# KiCad board mtt_final.kicad_pcb (continued)
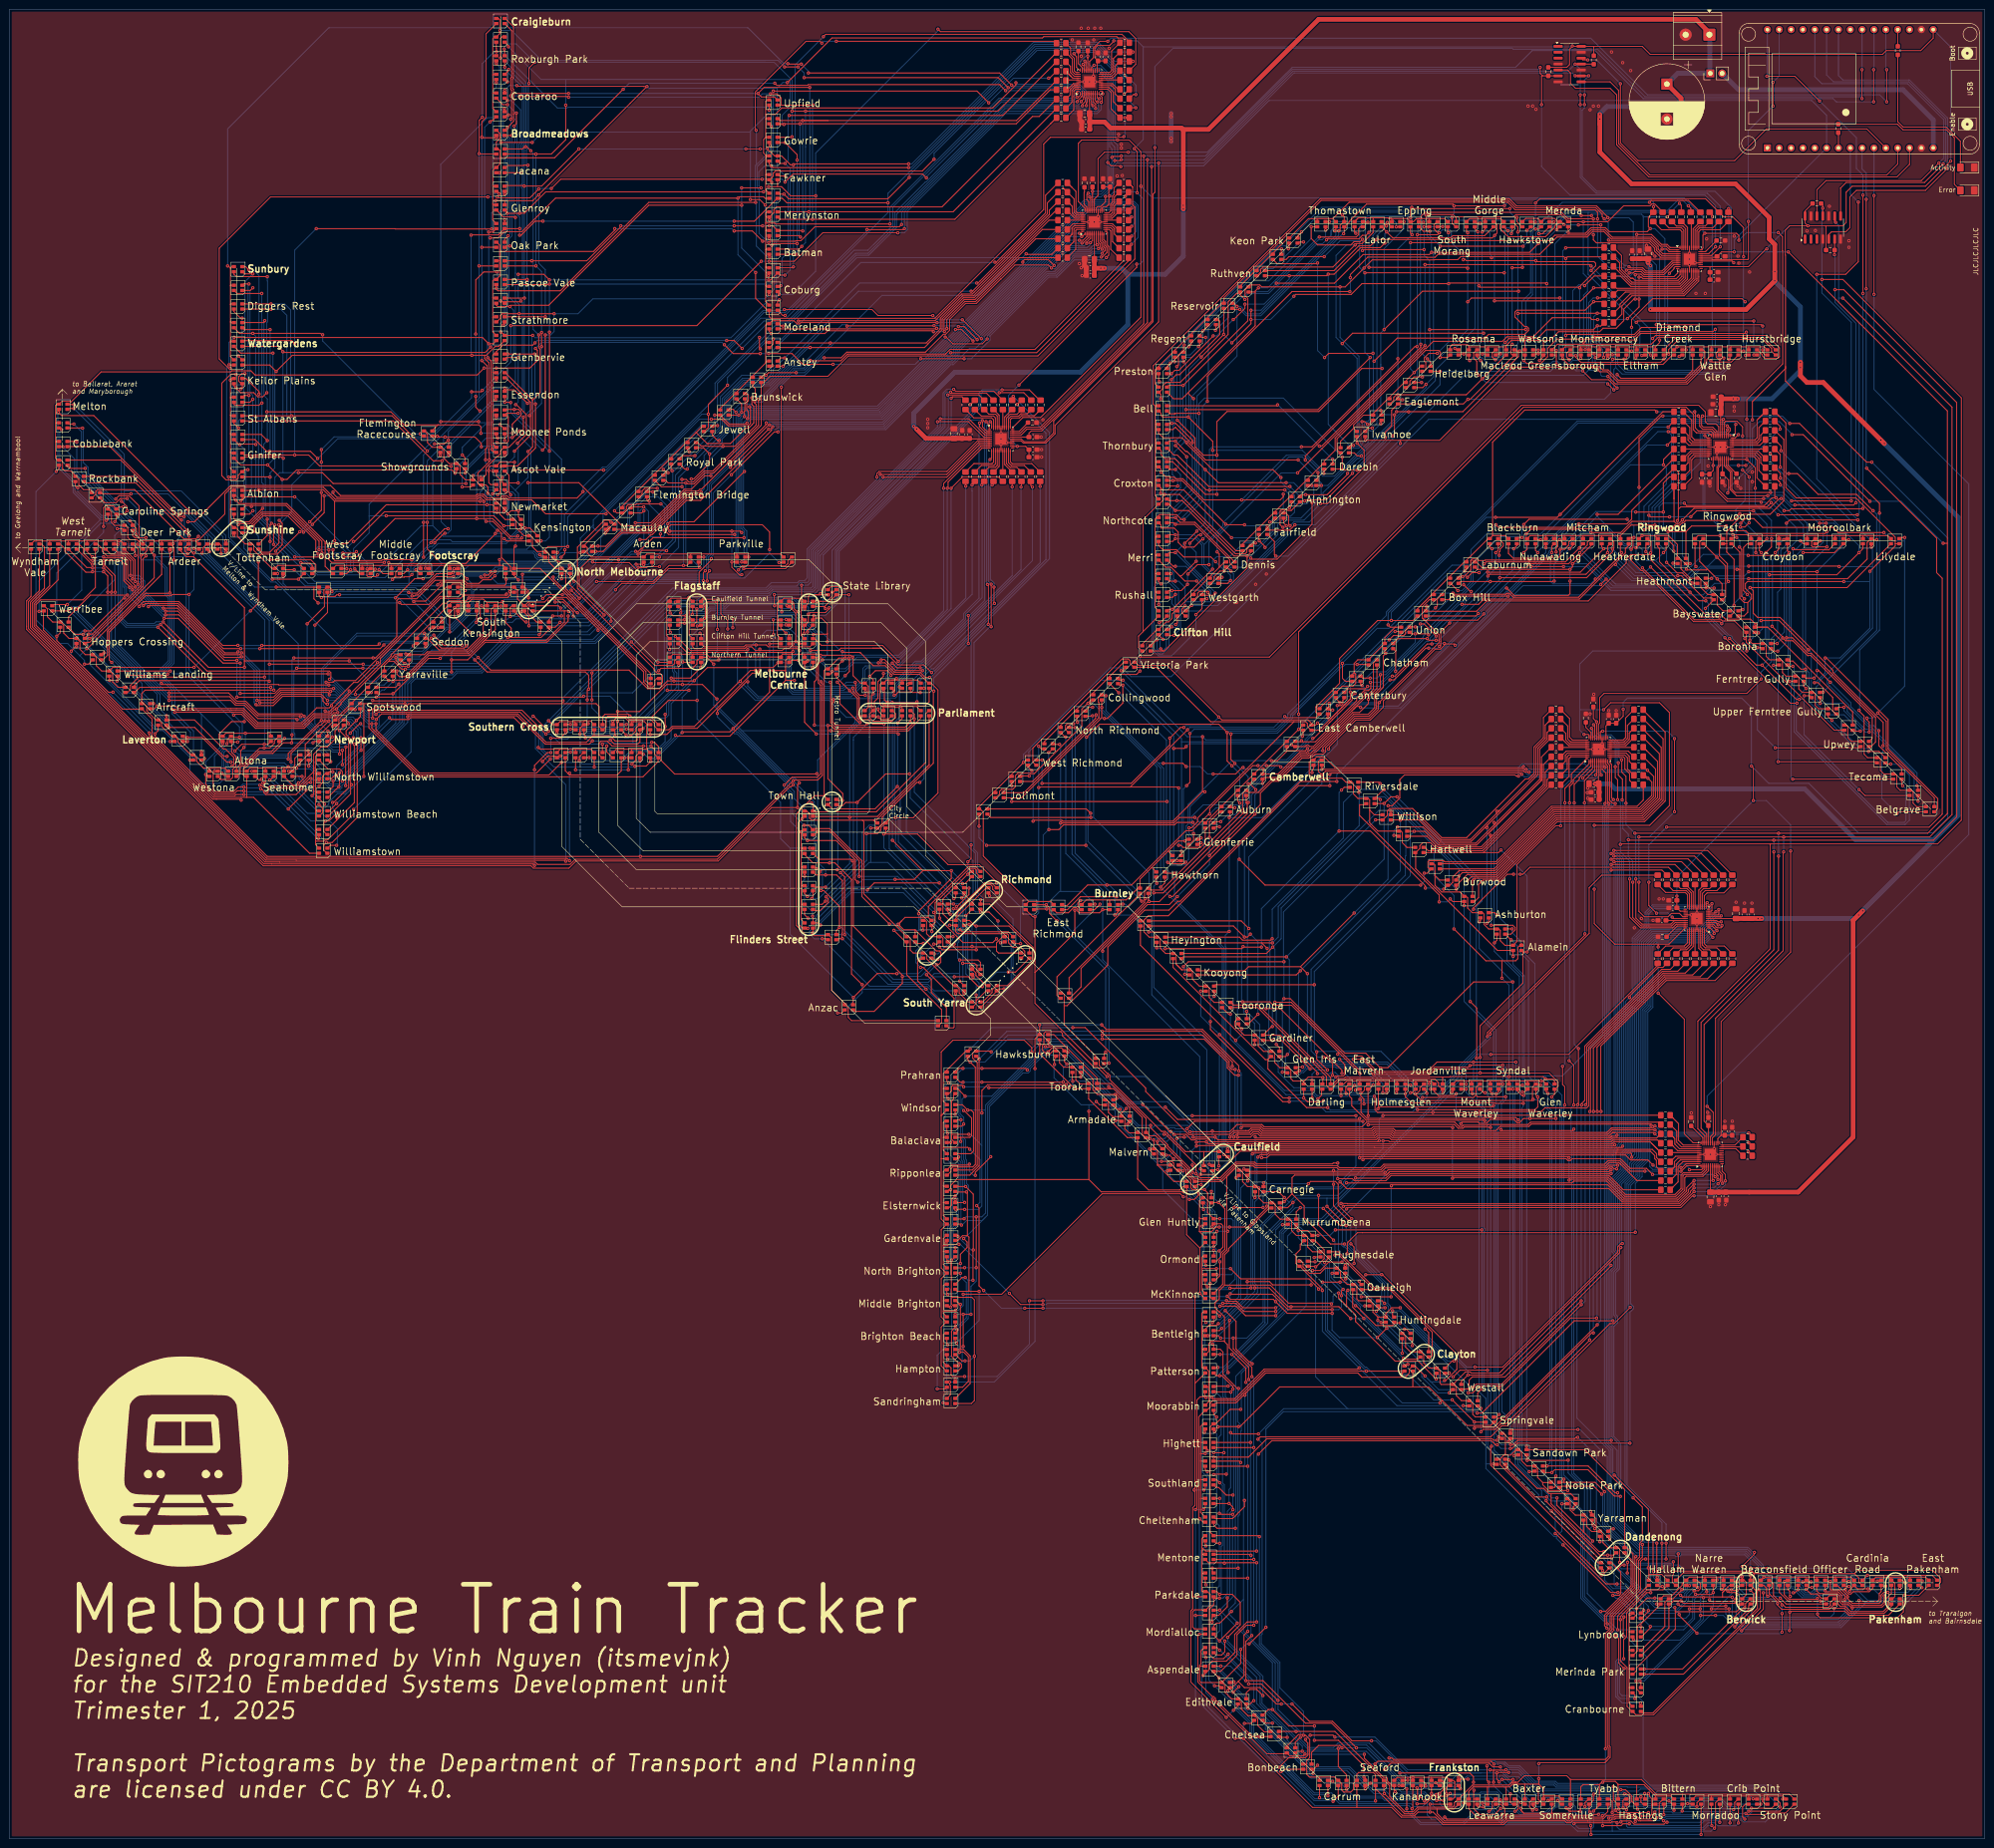
[diagram p0: board, top side]
## Routing (per net, layer and track width the routed paths; a pad name or vN(x,y) marks a point on that pad's centre or on a via; arc(x,y) is an arc through that point) (continued)
Net-(D434-BK): length 473.9
  Top w0.2: v1(375.9,8.5) 375.9,7.95 376.45,7.4 D452.2 ; 352.45,7.4 D458.2 352.3,7.4 352.15,7.25 ; D446.2 276.77,127.47 276.77,126.39 275.84,125.46 275.84,123.44 276.49,122.8 ; v1(262.8,21.5) 264.57,21.5 v1(264.57,21.51) 279.38,6.7 288.9,6.7 ; 328.83,7.4 327.8,8.43 v1(327.8,10.9) ; D494.2 256.4,71 v1(256,70.6) ; v1(289.39,100.99) 289.1,100.7 269.03,100.7 262.73,94.4 258.1,94.4 v1(257.85,94.65) ; 276.67,122.8 281.5,117.97 v1(281.5,117.6) ; 256.3,95.8 256.3,94.9 v1(256.55,94.65) 256.4,94.8 255.3,94.8 254.6,94.1 254.6,70.9 v1(254.3,70.6) ; v1(348.6,3.7) 348.6,3.99 348.19,4.4 344.43,4.4 344.23,4.2 343.56,4.2 343.16,3.8 338.4,3.8 338.39,3.81 335.11,3.81 334.7,3.4 333.91,3.4 333.47,3.83 321.16,3.83 320.32,3 307.39,3 305.77,4.61 298.43,4.61 296.35,6.7 288.9,6.7 ; v1(351.41,9.7) 351.63,9.49 351.63,9.07 352.15,8.55 352.15,7.25 352.15,7.25 ; 288.9,6.7 D476.2 ; v1(349.74,4.84) 351.74,4.84 352.15,5.25 352.15,7.25 ; v1(337.02,114.58) 319.96,97.51 314.51,97.51 v1(313.85,96.85) ; D434.2 311.75,92.85 v1(311.7,92.9) ; D482.2 266.23,24.73 v1(264.8,24.73) ; R121.2 357.7,186.1 354.41,186.1 338.18,169.87 338.18,157.7 v1(337.93,157.46) ; D488.2 v1(254.3,47.9)
  Bottom w0.2: v1(337.02,114.58) 337.08,114.58 337.85,115.35 337.85,157.38 v1(337.93,157.46) ; v1(351.41,9.7) 351.63,9.91 351.63,10.62 351.6,10.65 ; 351.6,10.65 349.7,10.65 349.25,10.2 346.04,10.2 345.6,9.76 345.6,9.75 340.91,9.75 340.02,10.65 328.05,10.65 v1(327.8,10.9) ; 351.6,10.65 373.75,10.65 v1(375.9,8.5) ; v1(349.74,4.84) v1(348.6,3.7) ; v1(281.5,117.6) 281.5,108.88 v1(289.39,100.99) 297.48,92.9 311.7,92.9 v1(311.7,92.9) 313,92.9 313.8,93.7 313.8,96.8 ; v1(264.8,24.73) 264.57,24.5 v1(264.57,21.51) ; v1(262.8,21.5) 254.3,30 v1(254.3,70.6) v1(256,70.6) ; v1(256.55,94.65) v1(257.85,94.65)
Net-(D434-GK): length 482
  Top w0.2: v1(329.9,8.22) 330.35,8.22 330.63,8.5 ; v1(292.8,16) 293.4,16.6 317.7,16.6 v1(318.3,16) ; 290.93,12.72 v1(290.42,13.22) 290.7,12.95 D476.4 ; v1(315.15,155.8) 315.35,156 328.45,156 329.25,156.8 336.76,156.8 336.81,156.74 338.14,156.74 338.58,157.19 338.58,169.7 354.57,185.7 359.3,185.7 R120.2 ; v1(280.56,129.42) 279.42,129.42 ; v1(259.48,49.04) 258.24,49.04 ; v1(279.8,24.17) 274.33,24.17 v1(270.79,27.72) 269.92,27.72 D482.4 ; v1(379.63,6.77) 379.63,7.65 378.78,8.5 ; 354.59,8.5 353.73,7.63 353.73,4.76 v1(354.64,3.85) ; v1(259.48,73) 258.2,73 ; 258.27,97.07 261.27,97.07 v1(261.3,97.1) ; v1(276.34,130.45) 278.35,130.45 D446.4 ; v1(284.3,130.6) 315.6,130.6 ; v1(262.28,69.58) 259.82,69.58 259.53,69.87 259.48,69.87 v1(259.42,69.8) ; v1(279.8,21.1) 284.95,21.1 290.45,15.6 v1(290.45,14.89) ; v1(315.71,96.49) 314.8,95.58 D434.4 ; v1(279.93,123.77) 278.53,123.77
  Bottom w0.2: v1(290.42,13.22) 290.42,14.86 v1(290.45,14.89) 290.4,14.94 290.4,15.6 290.8,16 v1(292.8,16) ; 262.93,97.1 262.93,70.23 v1(262.28,69.58) 262.24,69.54 262.24,51.8 v1(259.48,49.04) 270.79,37.73 v1(270.79,27.72) ; 262.93,97.1 262.93,99.2 278.02,114.29 278.02,123.77 ; 262.93,97.1 v1(261.3,97.1) ; 278.02,123.77 v1(279.93,123.77) ; 278.02,123.77 278.02,127.25 276.34,128.93 v1(276.34,130.45) ; 318.23,16 320.52,16 321.32,15.2 323.67,15.2 326.97,11.9 331.31,11.9 331.77,11.45 340.35,11.45 341.24,10.56 344.7,10.56 345.25,11.11 346.84,11.11 346.9,11.05 375.35,11.05 v1(379.63,6.77) 376.46,3.6 371.82,3.6 371.42,4 369.35,4 368.72,4.62 363.03,4.62 362.71,4.3 355.26,4.3 354.82,3.85 v1(354.64,3.85) ; v1(284.3,130.6) 283.12,129.42 v1(280.56,129.42) ; 318.3,16 v1(318.3,16) 318.3,15 318.5,14.8 319.43,14.8 327.39,6.84 328.4,6.84 329.78,8.22 v1(329.9,8.22) ; v1(315.71,96.49) v1(315.71,130.6) 315.71,155.24 v1(315.15,155.8) ; v1(279.8,24.17) 279.78,24.15 279.78,21.12 v1(279.8,21.1) ; v1(259.48,73) 259.53,72.95 259.53,69.92 v1(259.42,69.8)
Net-(D434-RK): length 448.2
  Top w0.2: v1(354.7,5.15) D458.1 ; v1(307.5,8.2) v1(306,8.2) ; v1(261.83,87.12) 262.13,86.82 v1(267.8,86.82) ; D446.1 279.92,128.3 281.89,126.34 281.89,124.42 280.27,122.8 280.06,122.8 ; D494.1 261.54,71.9 262.33,71.11 v1(262.33,70.56) ; 280.06,122.8 v1(280.06,122.69) ; 280.06,122.8 D440.1 ; R119.2 360.89,185.3 354.74,185.3 338.98,169.53 338.98,156.13 v1(338.85,156) ; v1(261.88,95.8) 261.83,95.85 258.25,95.85 ; 324.1,6.03 v1(324.1,6.5) ; 324.1,6.03 324.7,5.44 330.7,5.44 ; 324.1,6.03 324.62,5.51 ; v1(373.47,6.54) 377.84,6.54 D452.1 ; v1(342.91,4.4) 343.11,4.6 344.07,4.6 344.27,4.8 348.36,4.8 349.32,3.83 349.7,3.83 349.7,3.83 352.52,3.83 v1(353.18,4.5) ; D482.1 269.31,24.79 v1(270.79,24.79) ; v1(315.5,92.3) 314.95,92.85 ; D464.1 330.7,5.44 ; 330.7,5.44 334.7,5.44 335.13,5.01 339.58,5.01 339.78,5.21 v1(340.7,5.21) ; v1(315.5,87.3) 316,87.8 318.56,87.8 319.71,88.95 320.82,88.95 338.8,106.93 v1(338.8,107) ; v1(261.13,51.66) 261.13,49.76 259.27,47.9 D488.1 257.87,47.56 v1(257.87,46.47) ; v1(290.69,10.69) 290.7,10.7 D476.1 291.3,11.4 v1(291.8,11.9)
  Bottom w0.2: v1(340.7,5.21) 341.04,5.55 341.8,5.55 342.91,4.44 v1(342.91,4.4) ; v1(307.5,8.2) 308,8.7 309.57,8.7 309.77,8.9 317.68,8.9 318.34,8.24 ; v1(267.8,86.82) 273.22,92.25 287,92.25 ; v1(306,8.2) 305.28,8.2 303.48,10 298.45,10 297.75,10.7 293.27,10.7 292.07,11.9 v1(291.8,11.9) ; 287,92.25 315.45,92.25 v1(315.5,92.3) v1(315.5,87.3) ; 287,92.25 286.9,92.25 280.06,99.09 v1(280.06,122.69) ; v1(261.13,51.66) 261.68,52.21 261.68,69.91 v1(262.33,70.56) ; 318.34,8.24 317.8,8.78 ; 318.34,8.24 319.28,7.3 323.3,7.3 v1(324.1,6.5) ; v1(353.18,4.5) 353.84,5.15 v1(354.7,5.15) 354.75,5.1 362.37,5.1 362.7,5.42 369.05,5.42 369.68,4.8 372.67,4.8 373.52,5.65 373.52,6.5 v1(373.47,6.54) ; v1(257.87,46.47) 257.87,37.48 270.56,24.79 v1(270.79,24.79) 270.79,23.7 279.86,14.63 286.75,14.63 v1(290.69,10.69) ; v1(261.5,71.9) 261.5,74.92 261.83,75.25 v1(261.83,87.12) 261.83,94.57 261.88,94.62 v1(261.88,95.8) ; v1(338.8,107) 338.8,155.95 v1(338.85,156)
Net-(D435-BK): length 488.9
  Top w0.2: v1(295.31,109.49) 295.29,109.49 v1(293.3,107.5) ; D465.2 324.54,7.76 v1(324.1,7.76) ; 254.2,76.9 254.2,74.5 ; 254.2,76.9 254.2,97.7 ; 254.2,76.9 254.2,75 v1(254,74.8) 254.2,74.6 254.2,74.5 ; 254.2,74.5 254.2,71.5 253.7,71 253.7,51.9 ; v1(256.1,74.8) 256.4,75.1 D495.2 ; v1(317.45,14.75) 317.5,14.7 318.2,14.7 ; 253.7,51.9 253.7,49.27 253.3,48.87 253.3,33.6 v1(260.9,26) ; 253.7,51.9 D489.2 ; v1(272.97,131.71) 274.01,131.71 ; 254.2,97.7 v1(254.2,116.3) ; 254.2,97.7 D501.2 ; v1(283.6,112.7) 274,112.7 v1(271.5,115.2) 271,115.7 261.8,115.7 v1(261.12,116.38) ; v1(262.45,27.55) 263.4,28.5 D483.2 ; v1(345.5,10.51) 346.49,10.51 347.85,9.15 347.85,8 348.45,7.4 D459.2 348.9,6.52 v1(349.07,6.35) ; v1(372.07,4.2) 371.6,4.67 371.6,6.8 372.2,7.4 D453.2 ; v1(283.8,8) 284.9,9.1 D477.2 ; v1(308.69,95.64) 308.79,95.64 D435.2 ; v1(294.08,110.75) 295.05,110.75 ; v1(308.1,9.7) 308.1,11 308.5,11.4 D471.2 ; v1(317.61,168.25) 334.29,168.25 353.4,187.36 ; 318.2,14.7 v1(318.2,12.1) ; 318.2,14.7 318.2,14.7 320.77,14.7 v1(320.87,14.8) ; v1(284.2,21.8) 283.8,22.2 v1(278.9,22.2) ; v1(277.9,21.3) 277.9,21 278.4,20.5 278.4,17.92 277.83,17.35 274.25,17.35 v1(272.2,15.3)
  Bottom w0.2: v1(318.2,12.1) 318.2,11.4 320.3,9.3 320.3,7.7 ; v1(349.07,6.35) 351.52,3.9 352.93,3.9 352.94,3.9 353.43,3.9 353.8,3.9 354.37,4.47 354.87,4.47 355.1,4.7 362.54,4.7 362.87,5.02 368.89,5.02 369.51,4.4 371.87,4.4 v1(372.07,4.2) ; 320.3,7.7 319.45,7.7 319.1,8.05 319.1,9.3 318.8,9.6 315.67,9.6 315.37,9.3 309.6,9.3 309.4,9.1 308.65,9.1 308.1,9.65 v1(308.1,9.7) ; 320.3,7.7 324.04,7.7 v1(324.1,7.76) ; v1(260.9,26) v1(262.45,27.55) 263.07,27.55 265.99,24.62 265.99,21.51 v1(272.2,15.3) 272.5,15 272.89,15 279.69,8.2 283.6,8.2 v1(283.8,8) ; v1(294.08,110.75) 295.31,109.51 ; 295.31,109.51 v1(295.31,109.49) ; 295.31,109.51 302.8,102.02 302.8,99.09 306.25,95.64 v1(308.69,95.64) ; v1(271.5,115.2) 271.5,130.59 272.62,131.71 v1(272.97,131.71) 274.24,132.98 281.28,132.98 311.35,163.05 311.35,165.08 314.52,168.25 v1(317.61,168.25) ; v1(345.5,10.51) 345.15,10.16 341.07,10.16 340.18,11.05 331.6,11.05 331.15,11.5 326.8,11.5 323.5,14.8 v1(320.87,14.8) ; v1(254.2,116.3) 261.04,116.3 v1(261.12,116.38) ; v1(256.1,74.8) v1(254,74.8) ; v1(293.3,107.5) 285.17,107.5 283.58,109.08 283.6,109.1 v1(283.6,112.7) ; v1(277.9,21.3) 278.8,22.2 v1(278.9,22.2) ; v1(317.45,14.75) 299.82,14.75 292.77,21.8 v1(284.2,21.8)
Net-(D435-GK): length 449.4
  Top w0.2: v1(343.4,123) 343.4,122.87 320.01,99.48 v1(312.72,99.48) 311.3,98.06 D435.4 ; v1(259.1,101.1) 258.88,101.1 258.78,101 D501.4 ; v1(350.61,9.7) 350.61,8.59 ; v1(259.48,76.35) 258.84,77 D495.4 ; v1(373.85,8.54) 373.89,8.5 D453.4 ; v1(322.38,12.7) v1(320,12.7) ; D477.4 286.7,13.7 284.92,15.48 v1(284.92,19.35) ; D489.4 258.89,53 v1(259.48,52.41) 262.19,52.41 263.9,50.7 263.9,45.9 v1(261.2,43.2) ; R123.2 354.5,186.9 353.51,186.9 347.35,180.74 v1(347.35,180.45) ; D441.4 296.56,112.24 v1(296.56,113.25) ; v1(276.78,135.36) 275.9,134.48 D447.4 ; v1(286.6,131.5) 285.4,131.5 v1(281.7,135.2) ; D483.4 265.2,31.3 265.91,32.01 267.45,32.01 v1(268.76,30.7) ; v1(310.7,13.2) D471.4 310.97,12.76 v1(312.72,12.76) ; 326.59,8.5 325.93,7.84 325.93,6.77 v1(326.59,6.11)
  Bottom w0.2: v1(312.72,12.76) 319.94,12.76 v1(320,12.7) v1(326.59,6.11) ; v1(347.35,180.45) 346.47,179.57 346.47,148.02 345.4,146.96 345.4,143.6 343.2,141.4 343.2,123.2 v1(343.4,123) ; v1(281.7,135.2) 281.54,135.36 v1(276.78,135.36) 275.7,135.36 269.8,129.46 269.8,110.61 260.29,101.1 v1(259.1,101.1) 259.1,99.91 258.81,99.62 258.81,95.67 259.8,94.68 259.8,86.66 259.24,86.1 259.24,76.59 v1(259.48,76.35) 260.08,75.75 260.08,62.96 259.83,62.7 259.83,52.76 v1(259.48,52.41) ; v1(373.85,8.54) 372.15,10.25 353.41,10.25 352.26,9.1 351.1,9.1 351.1,9.1 350.61,9.59 v1(350.61,9.7) 349.6,9.7 349.35,9.45 346.99,9.45 346.49,8.95 339.37,8.95 339.1,9.22 325.58,9.22 322.9,11.9 322.9,12.18 v1(322.38,12.7) ; v1(286.6,131.5) 286.6,128.4 286.99,128.01 286.99,127.39 295.53,118.86 295.53,114.83 296.1,114.26 296.1,113.5 296.35,113.25 v1(296.56,113.25) 298.11,113.25 308.29,103.07 309.98,103.07 312.72,100.34 v1(312.72,99.48) ; v1(284.92,19.35) 284.55,19.35 ; 284.55,19.35 284.35,19.15 278.46,19.15 268.56,29.05 268.56,30.5 v1(268.76,30.7) 268.76,34.82 261.2,42.38 v1(261.2,43.2) ; 284.55,19.35 285.29,20.09 290.99,20.09 299.14,11.94 304.41,11.94 305.15,11.2 309.71,11.2 310.7,12.19 v1(310.7,13.2)
Net-(D435-RK): length 449.7
  Top w0.2: D495.1 258.74,75.36 259.27,75.36 260.91,73.71 v1(262.33,73.71) ; v1(337,115.4) 320.68,99.08 313.68,99.08 312.98,98.38 v1(312.98,96.49) 311.44,96.49 ; D471.1 310.7,11.1 v1(311.1,10.7) ; v1(301.9,8.44) 301.9,10.81 v1(301.8,10.91) ; v1(349.8,9) 349.8,7.85 350.25,7.4 D459.1 ; 258.2,51.4 258.2,50.2 257.26,49.26 257.26,39.54 258.2,38.6 260.3,38.6 v1(261.3,39.6) ; 258.2,51.4 D489.1 258.49,51.61 258.6,51.61 ; 258.2,51.4 258.41,51.61 258.6,51.61 ; v1(265.55,27.95) 265.2,28.31 D483.1 266,28.9 266.8,29.7 ; v1(327.6,7.7) 327,7.7 D465.1 326.7,6.97 v1(327.42,6.24) ; 258.6,51.61 v1(259.46,51.61) ; v1(286.7,10.6) D477.1 ; v1(337.08,157.39) 337.08,157.7 337.78,158.4 337.78,170.03 354.24,186.5 356.1,186.5 R122.2 ; D453.1 v1(375.5,7.4) ; v1(275.91,131.13) 275.91,131.79 ; v1(262.33,96.46) 262.33,96.97 259.98,99.32 v1(259.48,99.32) 258.78,99.32 D501.1 ; v1(298.2,110.65) 297.15,110.65 296.6,110.09 293.01,110.09 288.76,114.34 v1(288.61,114.34)
  Bottom w0.2: 346.85,8.75 346.66,8.55 ; 346.85,8.75 346.66,8.55 ; 346.85,8.75 347.15,9.05 348.65,9.05 349,8.7 355.54,8.7 355.55,8.71 356.05,8.71 356.06,8.7 366.96,8.7 368.25,7.4 v1(375.5,7.4) ; 346.66,8.55 332.45,8.55 332.19,8.82 329.02,8.82 327.9,7.7 v1(327.6,7.7) ; 265.79,34.79 261.3,39.27 v1(261.3,39.6) ; 265.79,34.79 266.8,33.77 v1(266.8,29.6) ; 265.79,34.79 266.77,33.8 ; 309.77,10.7 302.3,10.7 302.09,10.91 v1(301.8,10.91) ; 309.77,10.7 309.9,10.83 ; 309.77,10.7 309.77,10.7 310.3,10.7 ; v1(312.98,96.49) 312.98,97.24 301.24,108.99 300.33,108.99 298.66,110.65 v1(298.2,110.65) ; 259.48,99.73 v1(259.48,99.32) ; 259.48,99.73 259.5,99.75 259.5,99.8 260.4,100.7 260.45,100.7 ; 259.48,99.73 261.09,101.34 261.49,101.34 274.04,113.89 274.04,129.26 v1(275.91,131.13) 276.77,131.13 277.32,130.58 277.32,129.16 283,123.48 283,119.95 285.85,117.1 285.85,117.1 286.2,116.75 286.2,116.75 v1(288.61,114.34) 283.55,119.4 ; 310.3,10.7 310.03,10.7 309.9,10.83 ; 310.3,10.7 v1(311.1,10.7) ; 309.9,10.83 312.5,13.43 320.24,13.43 v1(327.42,6.24) ; v1(301.9,8.44) 301.7,8.64 294.97,8.64 294.51,9.1 288.2,9.1 v1(286.7,10.6) 283.92,13.38 279.27,13.38 278.83,13.81 278.83,14.53 269.69,23.67 269.69,24.52 266.66,27.55 265.95,27.55 v1(265.55,27.95) ; v1(259.46,51.61) 260.23,51.61 261.14,52.52 261.14,70.24 262.33,71.43 v1(262.33,73.71) 262.48,73.86 262.48,96.31 v1(262.33,96.46) ; v1(337.08,157.39) 337,157.31 v1(337,115.4)
Net-(D436-BK): length 519.3
  Top w0.2: v1(261.3,100) 261.15,100.15 261.15,106 260.52,106.63 260.52,111.94 259.4,113.06 259.34,113.06 258.5,113.9 258.5,114.9 259.4,115.8 259.4,117.6 260.52,118.72 260.52,125.26 261.4,126.14 261.4,126.58 270.12,135.3 D448.2 ; v1(345.06,6.35) 345.06,6.64 344.9,6.8 D460.2 ; v1(343.9,11.2) 343.9,8.33 344.83,7.4 ; v1(314.55,167.44) 314.6,167.48 314.6,178.2 v1(313.2,179.6) ; 260.52,106.7 260.47,106.75 257.71,106.75 257.17,106.21 257.17,104.56 256.51,103.9 ; 288.62,111.98 288.62,110.95 ; v1(319.7,8.3) 319.7,8 320.3,7.4 D466.2 ; v1(283.46,114.73) 283.29,114.9 274.21,114.9 270.35,118.76 260.59,118.76 ; v1(260.9,78.2) 258.3,78.2 v1(258.2,78.1) ; D484.2 259.5,32.8 v1(258.38,32.8) ; v1(313.9,199.4) 313.9,199.66 321.14,206.9 v1(322.5,206.9) ; D442.2 v1(290.6,114.3) ; v1(280.9,8.8) D478.2 ; 286.7,114.3 286.7,117.4 v1(286.97,117.67) ; v1(368.9,3.37) D454.2 ; v1(309.55,99.05) 311,100.5 v1(316.9,100.5) ; v1(306.1,9.1) 308.35,9.1 308.9,9.65 v1(308.9,9.7) ; 288.62,110.95 288.62,112.38 285,116 v1(285,117.07) ; 288.62,110.95 297.11,102.46 302.04,102.46 v1(305.9,98.6) 305.9,99.75 ; v1(317.2,12.1) 316.8,12.5 v1(316.8,15.6) ; v1(355.4,3.53) 355.17,3.53 354.73,3.1 348.35,3.1 347.65,3.8 345.7,3.8 v1(345.5,3.6) ; v1(256.53,54.45) 256.4,54.58 D490.2 ; D496.2 256.4,79.22 v1(256.85,78.77) ; D472.2 304.9,9.32 303.68,8.1 v1(303.4,8.1) ; R127.2 355.7,208.4 326,208.4 324.5,206.9 v1(323.9,206.9)
  Bottom w0.2: 257.18,77.81 256.85,78.13 v1(256.85,78.77) ; 257.18,77.81 257.41,77.81 257.7,78.1 v1(258.2,78.1) ; 257.18,77.81 257.18,55.09 v1(256.53,54.45) 257.19,53.79 257.19,33.99 v1(258.38,32.8) 266.39,24.79 266.39,22.06 275.9,12.56 275.9,12.56 278.8,9.67 ; 281.2,8.6 279.86,8.6 274.38,14.08 ; 281.2,8.6 284.1,8.6 285.2,7.5 296.8,7.5 296.8,7.5 300.49,7.5 301.13,6.86 302.96,6.86 303.4,7.3 v1(303.4,8.1) ; 281.2,8.6 281.1,8.6 v1(280.9,8.8) ; v1(314.55,167.44) 314.6,167.39 314.6,158.39 316.91,156.08 316.91,152.01 316.9,152 v1(316.9,100.5) ; v1(317.2,12.1) 317.2,10 ; 317.2,10 318.97,10 319.5,9.47 319.5,8.5 v1(319.7,8.3) ; 317.2,10 315.5,10 315.2,9.7 v1(308.9,9.7) ; v1(345.06,6.35) 345.5,5.91 v1(345.5,3.6) ; v1(316.8,15.6) 317.85,16.65 318.55,16.65 318.8,16.4 320.69,16.4 321.49,15.6 323.83,15.6 327.13,12.3 331.48,12.3 331.93,11.85 340.51,11.85 341.41,10.96 343.66,10.96 v1(343.9,11.2) ; v1(313.9,199.4) 313.2,198.7 v1(313.2,179.6) ; v1(323.9,206.9) v1(322.5,206.9) ; v1(368.9,3.37) 368.9,3.88 368.56,4.22 363.2,4.22 362.48,3.5 355.43,3.5 v1(355.4,3.53) ; v1(285,117.07) 284.47,117.07 283.8,116.4 283.8,115.06 v1(283.46,114.73) ; v1(290.6,114.3) 290.06,114.3 286.97,117.39 v1(286.97,117.67) ; v1(305.9,98.6) 306.4,99.1 309.5,99.1 v1(309.55,99.05) ; v1(306.1,9.1) 305.5,9.7 v1(304.9,9.7) ; v1(260.9,78.2) 261.2,78.5 261.2,94.35 260.7,94.85 260.7,99.4 v1(261.3,100)
Net-(D436-GK): length 489.2
  Top w0.2: v1(257.95,106.15) 258.2,105.91 D502.4 259.6,105 260.2,104.4 260.2,99.67 263.27,96.6 v1(263.53,96.6) ; v1(286.25,127.57) 283.26,127.57 277.61,133.23 277.61,135.73 275,138.34 ; 295.19,142.35 275.55,142.35 275,141.8 275,138.34 ; 295.19,142.35 295.92,143.08 342.95,143.08 343.15,143.28 343.2,143.28 v1(343.4,143.48) ; 295.19,142.35 295.87,143.03 ; v1(301.8,7.46) 303.61,7.46 305.85,9.7 v1(306.63,9.7) 307.45,10.52 307.45,12.2 307.15,12.5 D472.4 ; D484.4 262.68,33.5 ; D448.4 273.06,136.4 v1(273.33,136.67) 273.79,137.12 275,138.34 ; D496.4 263.7,81 v1(264,80.7) ; v1(283.71,12.31) 282.89,12.31 ; v1(262.4,31.4) v1(263.6,32.6) ; D490.4 257.92,57.28 v1(257.92,58.03) v1(263.44,58.03) ; v1(309.73,102.47) 309.32,102.47 D436.4 ; D466.4 323.15,8.5 323.5,8.15 323.5,6.4 322.98,5.88 v1(322.8,5.88) ; R126.2 354.3,207.8 343.4,207.8 v1(343.4,207.8) ; v1(294.84,114.85) 294.29,115.4 D442.4 ; v1(369.67,6.23) 369.9,6.46 369.9,7.77 370.63,8.5 ; D460.4 346.25,8.5 345.95,8.2 345.95,6.65 v1(346,6.6)
  Bottom w0.2: 338.47,6.73 337.89,6.15 337.89,5.16 337.57,4.84 335.56,4.84 335.22,5.18 335.22,6.85 334.87,7.2 334.2,7.2 331.41,7.2 329.31,5.1 323.89,5.1 323.09,5.9 322.82,5.9 v1(322.8,5.88) 319.19,5.88 316.87,8.2 311.59,8.2 310.3,6.92 310.3,6.9 307.25,6.9 306.7,7.45 306.7,9.63 v1(306.63,9.7) ; 261.56,34.36 258.82,37.09 258.82,43.95 259.46,44.59 259.46,46.53 257.92,48.07 v1(257.92,58.03) ; 261.56,34.36 262.27,33.65 v1(262.55,33.65) ; 261.56,34.36 263.31,32.6 v1(263.6,32.6) ; v1(263.44,58.03) 263.45,58.03 263.45,69.15 263.43,69.17 263.73,69.46 263.73,80.43 v1(264,80.7) 264,87.4 264.13,87.53 264.13,88.66 263.33,89.46 263.33,95.9 263.53,96.1 v1(263.53,96.6) ; 346,6.95 v1(346,6.6) ; 346,6.95 338.69,6.95 338.05,6.31 ; 346,6.95 350.25,6.95 350.48,6.71 358.64,6.71 358.85,6.51 361.35,6.51 361.55,6.31 362.11,6.31 362.3,6.5 368.02,6.5 368.29,6.23 v1(369.67,6.23) ; v1(309.73,102.47) 308.32,102.47 303.24,107.55 301.29,109.5 298.71,112.09 296.87,112.09 295.64,113.31 295.64,114.15 294.94,114.85 v1(294.84,114.85) 294.84,118.98 v1(286.25,127.57) ; v1(262.4,31.4) 264.29,29.51 264.29,29.49 264.95,28.84 264.95,27.7 265.63,27.02 266.62,27.02 269.29,24.36 269.29,23.51 278.43,14.36 278.43,13.65 279.1,12.98 283.04,12.98 v1(283.71,12.31) 287.32,8.7 294.34,8.7 294.81,8.24 301.02,8.24 v1(301.8,7.46) ; 273.38,136.72 268.33,131.66 268.33,117.03 258.85,107.55 258.85,107.05 v1(257.95,106.15) ; v1(343.4,143.48) 343.2,143.68 343.2,144.67 343.2,144.67 343.2,207.6 v1(343.4,207.8)
Net-(D436-RK): length 491.1
  Top w0.2: v1(305.8,12) 306.4,11.4 ; 293.8,113.9 D442.1 ; 293.8,113.9 v1(293.06,113.17) ; 293.8,113.9 293.81,113.89 v1(294.95,113.89) ; v1(265.5,44.47) 264.7,43.67 264.7,34.95 263.48,33.73 ; v1(321.8,9.6) 321.8,7.85 322.25,7.4 D466.1 ; v1(275,28.9) 278.72,25.18 283.68,25.18 287.85,21 v1(292.05,21) ; v1(265.1,97.9) 265.1,100.9 v1(262.1,103.9) ; v1(319.38,12.17) 319.38,12.32 318.9,12.8 v1(318.9,14.1) 319,14.2 v1(321.45,14.2) ; v1(317.47,172.6) 317.47,172.96 338.71,194.19 338.71,204.01 341.4,206.7 R125.2 ; v1(282.7,9.2) D478.1 ; v1(285.87,132.26) 285.87,132.26 v1(282.49,135.64) ; v1(275.2,136.5) 274.07,135.36 272.46,135.36 ; v1(346.27,9.58) 346.39,9.7 346.67,9.7 347.45,8.92 347.45,7.7 347.15,7.4 D460.1 v1(346.7,6.2) ; v1(261.25,31.7) 261.25,31.95 D484.1 262.15,32.4 263.48,33.73 ; v1(370.7,3.37) D454.1 ; D490.1 v1(265.5,55.9) ; 263.48,33.73 264.79,32.41 268.14,32.41 271.65,28.9 v1(272.7,28.9) ; D502.1 v1(259.6,103.9) ; D436.1 308.65,99.85 v1(308.7,99.9) ; D496.1 v1(265.5,79.9)
  Bottom w0.2: v1(272.7,28.9) v1(275,28.9) ; 315.6,14.1 310.75,14.1 308.65,12 v1(305.8,12) ; 315.6,14.1 299.9,14.1 293,21 v1(292.05,21) ; 315.6,14.1 v1(318.9,14.1) ; v1(321.45,14.2) 323.5,14.2 327.45,10.25 339.85,10.25 340.74,9.35 346.04,9.35 346.15,9.46 346.15,9.7 v1(346.27,9.58) ; v1(317.47,172.6) 317.47,172.6 317.47,171.77 310.54,164.84 310.5,164.84 310.14,164.49 310.14,163.64 306.86,160.36 306.84,160.36 306.69,160.21 306.69,158.96 285.13,137.4 282.5,137.4 ; v1(346.7,6.2) 346.7,2.7 347,2.4 363.18,2.4 364.18,3.4 364.75,3.4 364.75,3.4 365.25,3.4 365.25,3.4 365.6,3.4 366.23,2.77 370.17,2.77 370.7,3.3 v1(370.7,3.37) ; v1(321.8,9.6) 321.8,9.75 v1(319.38,12.17) ; v1(265.5,44.47) v1(265.5,79.9) 265.5,97.5 v1(265.1,97.9) ; v1(285.87,132.26) 285.8,132.19 285.8,128.1 285.65,127.95 285.65,127.85 285.66,127.84 285.65,127.82 285.65,127.32 286,126.97 286.28,126.97 294.21,119.05 294.21,118.5 294.22,118.48 294.22,114.62 294.95,113.89 v1(294.95,113.89) ; 282.5,137.4 276.11,137.4 v1(275.2,136.5) 275.2,135.54 269.21,129.55 269.21,110.73 269.2,110.72 269.2,110.58 262.52,103.9 v1(262.1,103.9) v1(259.6,103.9) ; 282.5,137.4 282.49,137.39 v1(282.49,135.64) ; v1(261.25,31.7) 261.25,30.58 266.8,25.03 266.8,22.23 279.62,9.4 282.5,9.4 v1(282.7,9.2) ; v1(293.06,113.17) 293.06,112.66 306.22,99.5 307.4,99.5 307.8,99.9 v1(308.7,99.9)
Net-(D437-BK): length 529.7
  Top w0.2: 267.1,150.5 267.3,150.3 292.84,150.3 293.26,150.73 296.09,150.73 296.51,150.3 343.08,150.3 343.48,150.7 344.5,150.7 344.66,150.86 v1(344.66,150.9) ; v1(315.8,7.6) 316.7,7.6 ; R130.2 359.9,210.2 343.5,210.2 v1(343.4,210.1) ; v1(258.2,82.8) v1(260.4,82.8) ; v1(256.85,83.26) 256.8,83.31 256.8,83.5 D497.2 ; v1(267,118.16) 270.1,118.16 274.14,114.13 v1(274.8,114.13) 285.06,114.13 v1(287.59,111.59) ; D473.2 300.9,6.59 v1(300.72,6.42) ; 340.9,7.18 v1(339.65,5.93) ; v1(267.4,59.2) 257.1,59.2 D491.2 ; v1(298.89,103.06) 299.09,102.86 302.01,102.86 D437.2 ; D455.2 364.9,2.9 v1(365,2.8) ; v1(272.6,14.4) 273,14.4 273.5,14.9 D479.2 ; v1(267.4,46.5) 265.38,46.5 262.7,43.82 262.7,39.9 260.9,38.1 257.9,38.1 257.15,37.35 257.15,36.2 256.85,35.9 D485.2 256.4,35.47 v1(255.93,35) ; v1(344.7,3.4) 344.5,3.6 343.53,3.6 343.32,3.4 335.54,3.4 335.45,3.31 v1(335.45,3.2) ; D449.2 267.1,137.57 v1(267.05,137.52) ; 288.01,117.71 288.01,114.02 v1(290.41,111.61) ; D503.2 v1(257,107.9)
  Bottom w0.2: v1(287.59,111.59) 290.41,111.59 ; v1(267.4,59.2) 267.4,46.4 ; v1(255.93,35) 255.69,34.76 255.69,32 ; v1(256.85,83.26) 257.74,83.26 v1(258.2,82.8) ; 314.4,6.2 316.66,6.2 316.94,6.49 317.44,6.49 317.81,6.12 317.81,5.84 320.25,3.4 320.66,3.4 320.66,3.4 334.91,3.4 ; 314.4,6.2 v1(315.8,7.6) ; 314.4,6.2 311.6,3.4 302.67,3.4 300.7,5.37 300.7,6.39 v1(300.72,6.42) 300.04,7.1 279.9,7.1 v1(272.6,14.4) 270.83,14.4 264.22,21.02 255.69,29.54 255.69,32 ; v1(298.89,103.06) 290.41,111.53 v1(290.41,111.61) ; 334.91,3.4 335.25,3.4 v1(335.45,3.2) 336.46,2.2 339.3,2.2 339.65,2.55 339.65,3.05 339.65,3.05 v1(339.65,5.93) ; v1(365,2.8) 364.15,2.8 363.35,2 346.2,2 346.2,2 345.2,2 344.7,2.5 v1(344.7,3.4) ; v1(344.66,150.9) 344.7,150.9 344.86,151.06 344.86,209.79 344.45,210.2 343.5,210.2 v1(343.4,210.1) 343.4,210.1 343.4,210.2 ; 255.69,32 255.69,29.52 ; v1(267.1,150.6) 267.1,137.57 v1(267.05,137.52) 266.6,137.07 266.6,119 266.6,119 267,118.6 v1(267,118.16) 267,117.42 257.48,107.9 v1(257,107.9) ; v1(260.5,59.1) 260.5,59.2 260.48,59.22 260.48,75.92 260.1,76.3 260.1,82.5 v1(260.4,82.8) 260.4,94.58 260.2,94.78 260.2,99.88 261.26,100.94 261.66,100.94 274.82,114.1
Net-(D437-GK): length 529.3
  Top w0.2: v1(290.8,121) 294.4,121 ; 294.4,121 v1(303.6,111.8) ; 294.4,121 294.38,121.02 v1(294.22,121.02) ; 318.59,8.5 317.93,7.84 317.93,6.48 317.52,6.06 317.52,6.02 317.5,6 317.38,6 317.3,5.92 317.26,5.92 v1(317.21,5.87) ; D443.4 289.4,119.4 v1(289.4,119.6) ; v1(268.9,140.7) D449.4 ; v1(365.57,2.23) 365.8,2.47 365.8,6.5 365.79,6.51 365.79,7.7 366.59,8.5 ; v1(259.73,37.03) 259.7,37 D485.4 ; D437.4 304.3,108.58 v1(303.54,109.34) ; D473.4 302.95,12.25 303.25,12.25 303.65,11.85 v1(303.65,11.3) ; v1(285.71,19.49) 285.2,20 280.7,20 279.2,18.5 D479.4 ; v1(288.8,19.49) 283.51,24.78 277.9,24.78 268.78,33.9 v1(265.1,33.9) 265.1,42.3 v1(266.37,43.57) ; v1(259.9,109.47) 259.43,109 D503.4 ; 261.55,111.35 261.55,105.3 265.7,101.15 v1(265.7,98.5) ; D491.4 266,61 v1(266.2,60.8) ; v1(344.03,209.6) 358.5,209.6 R129.2 ; D497.4 v1(266.1,85) ; v1(287.8,133) 284.9,135.9 284.9,140.4 284.3,141 279,141 v1(278.5,140.5) ; v1(268.9,148.5) 269.1,148.7 344.03,148.7 v1(344.21,148.88) ; v1(299.6,6.42) v1(299.6,10.7) ; v1(343.65,5.6) 343.65,8 343.15,8.5 D461.4
  Bottom w0.2: v1(365.57,2.23) 365.43,2.23 364.8,1.6 343.7,1.6 ; v1(268.9,148.5) 269.6,147.8 269.6,141.4 v1(268.9,140.7) ; 299.6,11.54 298.97,11.54 291.02,19.49 v1(288.8,19.49) v1(285.71,19.49) ; 299.6,11.54 303.41,11.54 v1(303.65,11.3) ; 299.6,11.54 v1(299.6,10.7) ; 343.7,1.6 336.2,1.6 334.8,3 320.83,3 320.08,3 v1(317.21,5.87) 317.21,5.76 316.65,5.2 313.97,5.2 311.77,3 302.5,3 299.6,5.9 v1(299.6,6.42) ; 343.7,1.6 343.65,1.65 v1(343.65,5.6) ; v1(278.5,140.5) 269.1,140.5 v1(268.9,140.7) ; v1(259.73,37.03) 261.77,37.03 264.9,33.9 v1(265.1,33.9) ; v1(268.9,140.7) 268.9,138.67 267.83,137.6 267.83,137.45 267,136.62 267,119.17 267.6,118.57 267.6,117.17 v1(261.62,111.18) v1(259.9,109.47) ; v1(303.54,109.34) 303.54,111.74 v1(303.6,111.8) ; v1(289.4,119.6) v1(290.8,121) ; v1(266.37,43.57) 266.2,43.74 v1(266.2,60.8) 266.1,60.9 v1(266.1,85) 266.1,98.1 v1(265.7,98.5) ; v1(344.03,209.6) 344.46,209.17 344.46,151.5 344.41,151.5 344.06,151.15 344.06,149.02 v1(344.21,148.88) ; v1(294.22,121.02) 288.7,126.54 288.7,132.1 v1(287.8,133)
Net-(D437-RK): length 494.6
  Top w0.2: v1(273.36,137.54) 272.1,138.8 D449.1 ; v1(343.4,142.68) 296.08,142.68 295.11,141.7 288.68,141.7 v1(288.63,141.75) ; R128.2 357.1,209 343.5,209 343.5,209 v1(343.4,209) ; v1(266.4,99.1) 266.4,101.1 262.4,105.1 v1(262.4,107.4) ; D497.1 v1(266.8,83.9) ; v1(259.7,107.4) 259.2,107.9 D503.1 ; D461.1 342.7,5.8 341.51,4.61 334.96,4.61 334.54,5.04 320.64,5.04 320.61,5 ; 308.17,4.2 v1(307.74,4.64) 308.17,4.2 319.82,4.2 320.61,4.98 320.61,5 ; v1(341.6,2.8) 345.55,2.8 345.95,3.2 v1(347.3,3.2) ; D455.1 v1(366.7,3.5) ; 293.1,117.8 292.48,117.8 285.08,125.2 v1(284.2,125.2) ; 293.1,117.8 295.93,117.8 305.07,108.67 305.07,103.67 304.75,103.35 304.42,103.35 ; 293.1,117.8 D443.1 ; v1(279.51,13.98) 279.51,14.79 ; 320.61,5 320.61,6.53 319.73,7.4 D467.1 ; v1(280.7,138) 280.7,131.6 v1(283.9,128.4) ; D491.1 v1(266.8,59.9) ; v1(266.8,45.8) 265.25,45.8 263.2,43.75 263.2,39.4 259.7,35.9 D485.1 258.2,35.65 v1(259.33,34.52) ; v1(302.7,9) D473.1 ; 279.4,14.9 279.61,14.9 v1(280.46,15.76)